# KiCad board ISA_ES1868.kicad_pcb (continued)
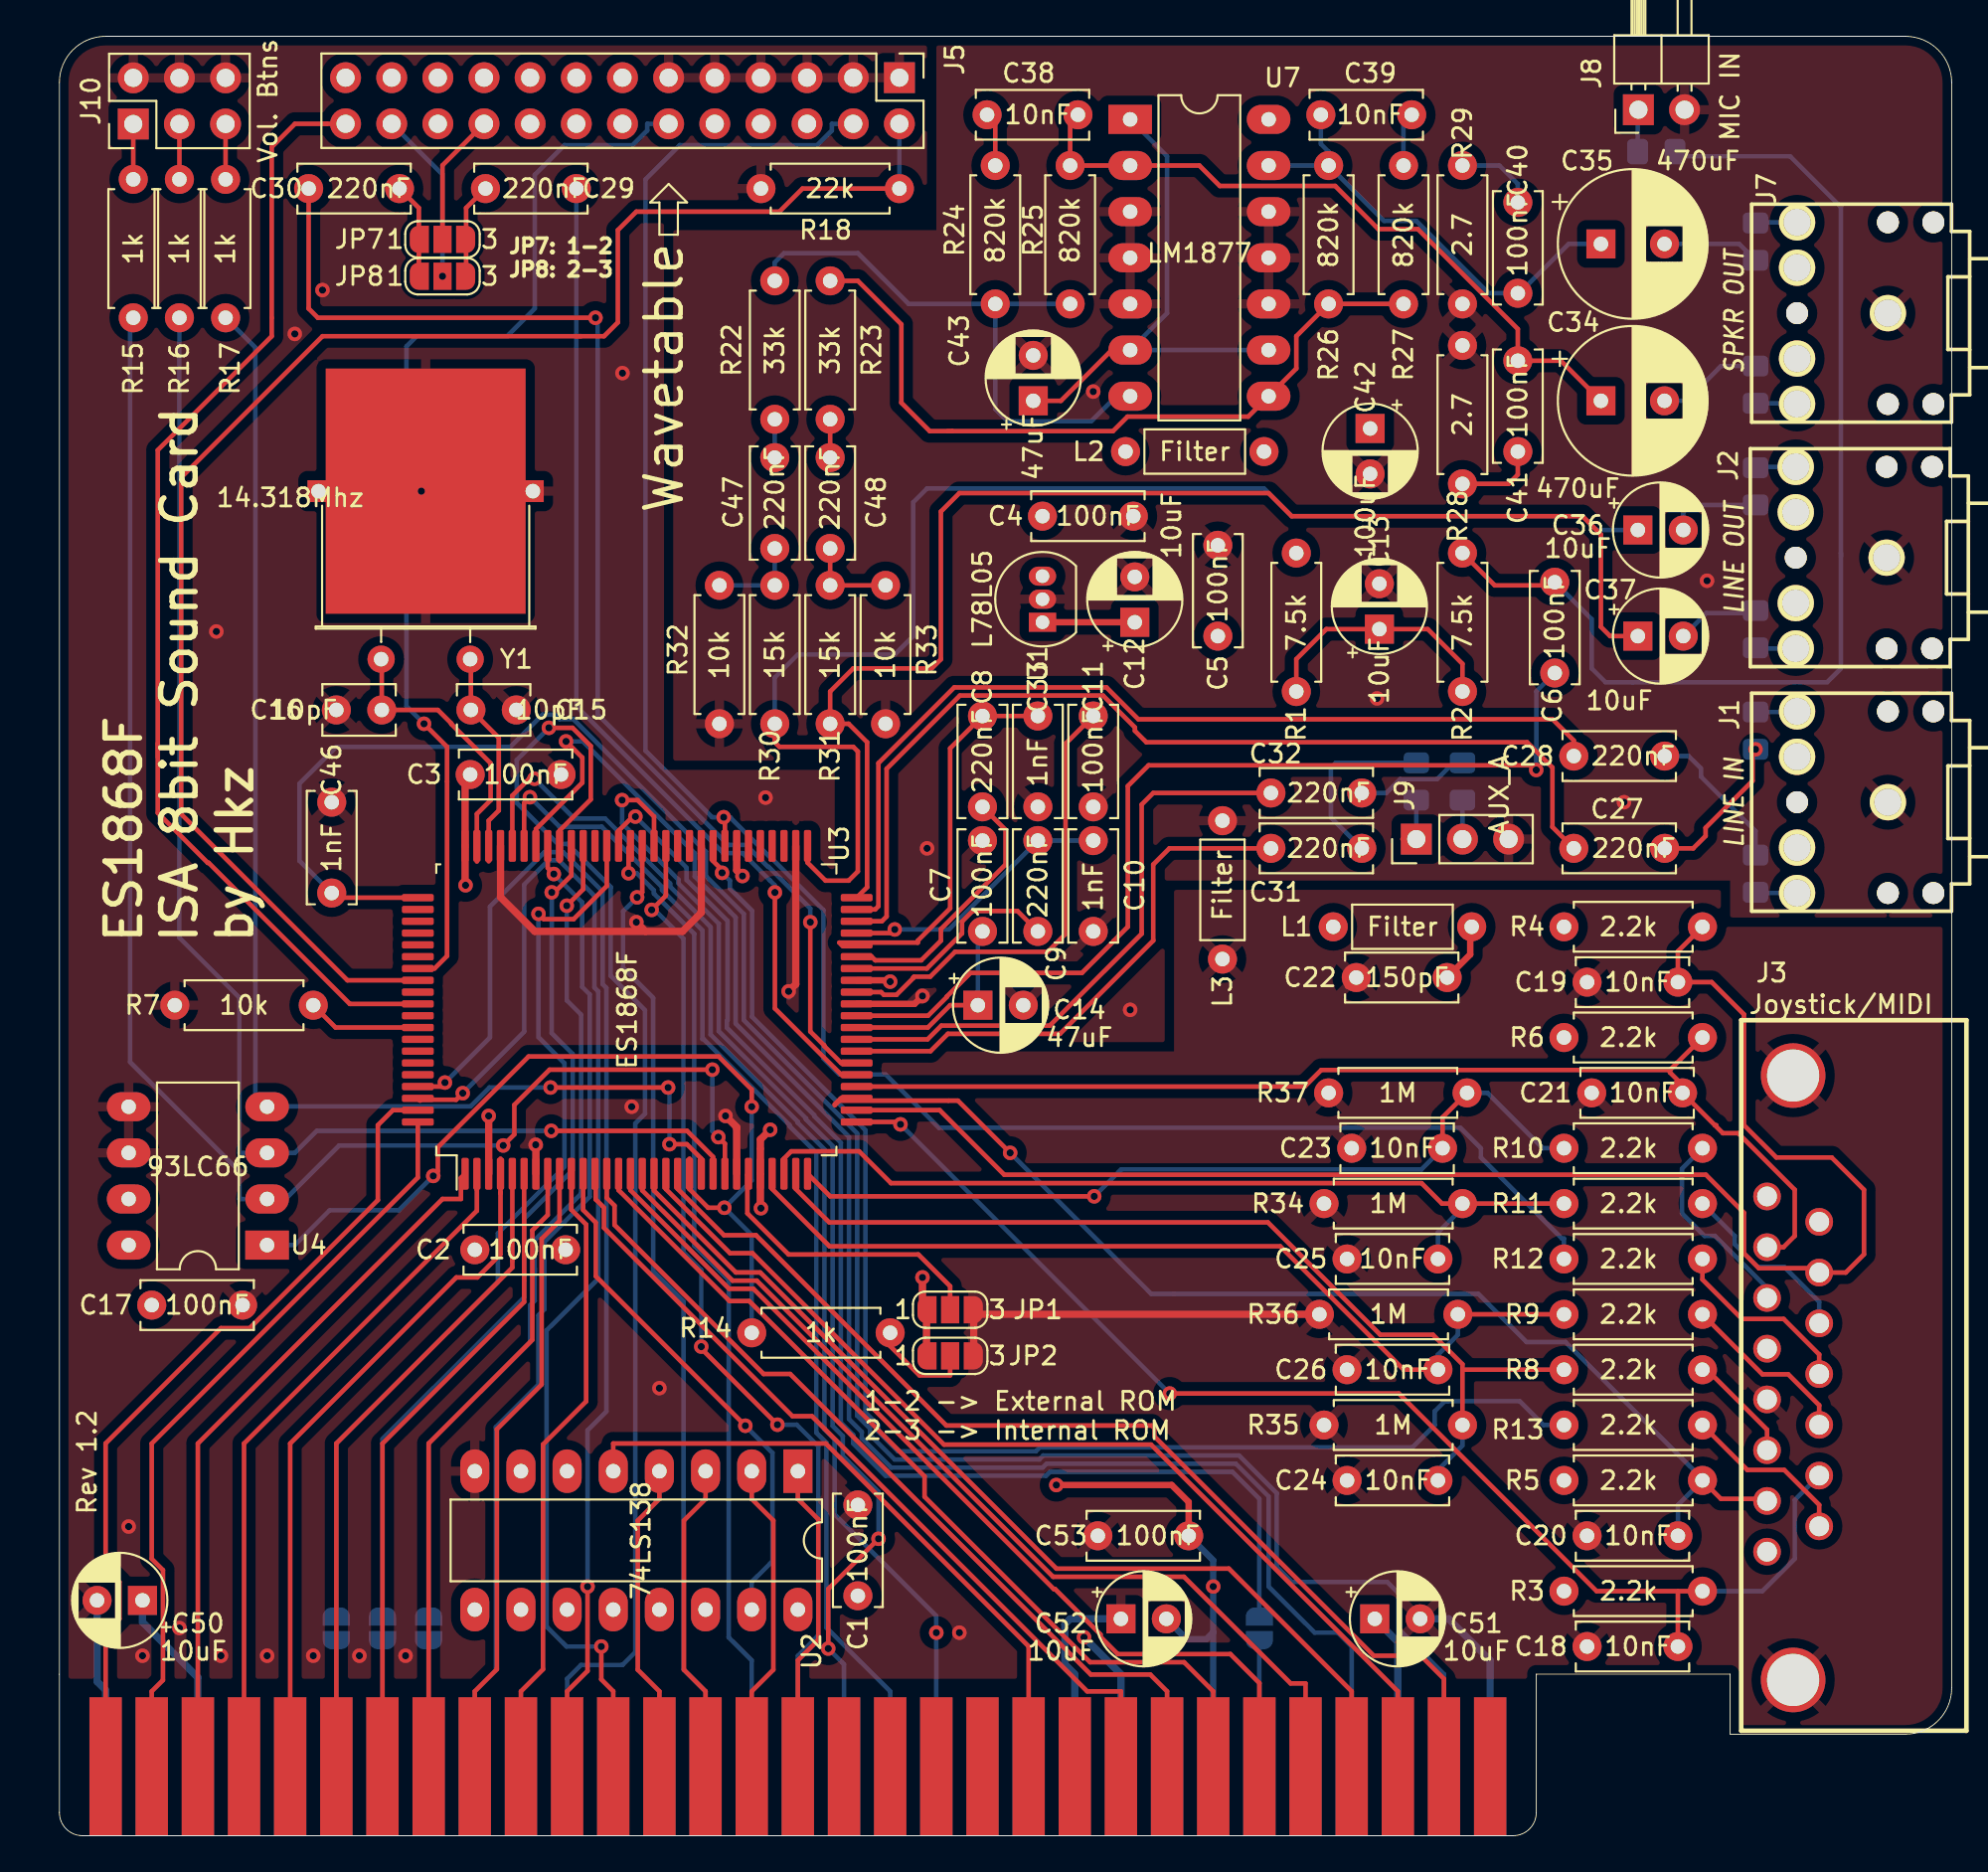
[diagram p0: board, top side]
## Nets
+12V: C4.1 J5.18 J11.9 L2.1 U1.3
-12V: C52.2 C53.2 J5.22 J11.7
/VDDA: C5.1 C12.1 R1.1 U1.1 U3.43
GND: C1.2 C2.2 C3.2 C15.1 C16.1 C17.1 C18.1 C19.1 C20.1 C21.1 C22.1 C23.1 C24.1 C25.1 C26.1 C46.1 C50.2 C51.2 C52.1 C53.1 J3.0 J3.4 J3.5 J5.1 J5.3 J5.5 J5.7 J5.9 J5.11 J10.2 J10.4 J10.6 J11.1 J11.10 J11.31 JP1.3 JP2.3 L3.1 R7.2 R18.2 R34.1 R35.1 R36.1 R37.1 U2.8 U3.7 U3.24 U3.52 U3.60 U3.77 U4.5 U4.6 Y1.3
GNDA: C4.2 C5.2 C7.2 C10.2 C11.2 C12.2 C13.2 C14.2 C33.2 C42.2 C43.2 J1.1 J2.1 J5.15 J5.17 J5.19 J5.21 J5.23 J5.25 J7.1 J8.2 J9.3 L3.2 R28.1 R29.1 R32.2 R33.2 U1.2 U3.41 U7.3 U7.4 U7.5 U7.10 U7.11 U7.12
VCC: C1.1 C2.1 C3.1 C17.2 C50.1 C51.1 J5.6 J5.10 J5.14 J11.3 J11.29 JP1.1 JP2.1 L1.1 R3.2 R4.2 R5.2 R6.2 U2.6 U2.16 U3.3 U3.26 U3.57 U3.80 U4.8
/A0: J11.62 U3.99
/A1: J11.61 U3.100
/A2: J11.60 U3.1
/A3: J11.59 U3.2
/A4: J11.58 U3.4
/A5: J11.57 U3.5
/A6: J11.56 U3.6
/A7: J11.55 U3.8
/A8: J11.54 U3.9
/A9: J11.53 U3.10
/A10: J11.52 U3.97
/A11: J11.51 U3.98
/A12: J11.50 U2.4
/A13: J11.49 U2.3
/A14: J11.48 U2.2
/A15: J11.47 U2.1
/AEN: J11.42 U2.5
/AOUTL: C37.1 R31.1 U3.50
/AOUTR: C36.1 R30.1 U3.51
/AUXBL: C29.2 JP7.3 JP8.3
/AUXBR: C30.2 JP7.1 JP8.1
/D0: J11.40 U3.12
/D1: J11.39 U3.13
/D2: J11.38 U3.14
/D3: J11.37 U3.15
/D4: J11.36 U3.16
/D5: J11.35 U3.17
/D6: J11.34 U3.18
/D7: J11.33 U3.19
/DRQ1: J11.18 U3.65
/DRQ2: J11.6 JP3.1
/DRQ3: J11.16 U3.63
/Filtered_12V: C42.1 L2.2 U7.14
/FILTERED_VCC: C22.2 J3.1 J3.8 J3.9 L1.2
/IRQ3: J11.25 JP5.1
/IRQ4: J11.24 JP6.1
/IRQ5: J11.23 U3.73
/IRQ7: J11.21 U3.72
/IRQ9: J11.4 U3.74
/MCLK: J5.2 R18.1 U3.88
/MSD: J5.12 U3.87
/MSI: R13.2 U3.59
/MSO: J5.4 R12.2 U3.58
/RESETDRV: C46.2 J11.2 U3.81
/~{DACK1}: J11.17 U3.66
/~{DACK2}: J11.26 JP4.1
/~{DACK3}: J11.15 U3.64
/~{IOR}: J11.14 U3.75
/~{IOW}: J11.13 U3.76
/~{RSTB}: J5.26 U3.90
Net-(C6-Pad1): C6.1 U3.40
Net-(C6-Pad2): C6.2 L12.2 R2.2
Net-(C8-Pad1): C8.1 U3.45
Net-(C9-Pad1): C9.1 U3.44
Net-(C10-Pad1): C9.2 C10.1 U3.47
Net-(C11-Pad1): C11.1 U3.42
Net-(C13-Pad1): C13.1 R1.2 R2.1
Net-(C14-Pad1): C7.1 C14.1 U3.39
Net-(C15-Pad2): C15.2 U3.78 Y1.1
Net-(C16-Pad2): C16.2 U3.79 Y1.2
Net-(C18-Pad2): C18.2 J3.14 R3.1 U3.31
Net-(C19-Pad2): C19.2 J3.10 R4.1 U3.32
Net-(C20-Pad2): C20.2 J3.7 R5.1 U3.33
Net-(C21-Pad2): C21.2 J3.2 R6.1 U3.34
Net-(C23-Pad2): C23.2 R10.2 R37.2 U3.30
Net-(C24-Pad2): C24.2 R8.2 R35.2 U3.29
Net-(C25-Pad2): C25.2 R11.2 R34.2 U3.28
Net-(C26-Pad2): C26.2 R9.2 R36.2 U3.27
Net-(C27-Pad1): C27.1 U3.48
Net-(C27-Pad2): C27.2 L4.2
Net-(C28-Pad1): C28.1 U3.49
Net-(C28-Pad2): C28.2 L5.2
Net-(C29-Pad1): C29.1 U3.35
Net-(C30-Pad1): C30.1 U3.36
Net-(C31-Pad1): C31.1 U3.37
Net-(C31-Pad2): C31.2 L6.2
Net-(C32-Pad1): C32.1 U3.38
Net-(C32-Pad2): C32.2 L7.2
Net-(C33-Pad1): C8.2 C33.1 U3.46
Net-(C34-Pad1): C34.1 C38.2 C41.2 R25.2 U7.2
Net-(C34-Pad2): C34.2 L10.2
Net-(C35-Pad1): C35.1 C39.2 C40.2 R26.2 U7.13
Net-(C35-Pad2): C35.2 L11.2
Net-(C36-Pad2): C36.2 L8.2
Net-(C37-Pad2): C37.2 L9.2
Net-(C38-Pad1): C38.1 R24.2
Net-(C39-Pad1): C39.1 R27.2
Net-(C40-Pad1): C40.1 R29.2
Net-(C41-Pad1): C41.1 R28.2
Net-(C43-Pad1): C43.1 U7.1 U7.6 U7.9
Net-(C47-Pad1): C47.1 R30.2 R32.1
Net-(C47-Pad2): C47.2 R22.1
Net-(C48-Pad1): C48.1 R31.2 R33.1
Net-(C48-Pad2): C48.2 R23.1
Net-(J1-Pad2): J1.2 L4.1
Net-(J1-Pad3): J1.3 L5.1
Net-(J2-Pad2): J2.2 L8.1
Net-(J2-Pad3): J2.3 L9.1
Net-(J3-Pad3): J3.3 R10.1
Net-(J3-Pad6): J3.6 R8.1
Net-(J3-Pad11): J3.11 R11.1
Net-(J3-Pad12): J3.12 R12.1
Net-(J3-Pad13): J3.13 R9.1
Net-(J3-Pad15): J3.15 R13.1
Net-(J5-Pad20): J5.20 JP7.2
Net-(J5-Pad24): J5.24 JP8.2
Net-(J7-Pad2): J7.2 L11.1
Net-(J7-Pad3): J7.3 L10.1
Net-(J8-Pad1): J8.1 L12.1
Net-(J9-Pad1): J9.1 L6.1
Net-(J9-Pad2): J9.2 L7.1
Net-(J10-Pad1): J10.1 R15.2
Net-(J10-Pad3): J10.3 R16.2
Net-(J10-Pad5): J10.5 R17.2
Net-(JP1-Pad2): JP1.2 U3.25
Net-(JP2-Pad2): JP2.2 R14.1
Net-(JP3-Pad2): JP3.2 U3.67
Net-(JP4-Pad2): JP4.2 U3.68
Net-(JP5-Pad2): JP5.2 U3.71
Net-(JP6-Pad2): JP6.2 U3.70
Net-(R7-Pad1): R7.1 U3.92
Net-(R14-Pad2): R14.2 U3.20 U4.1
Net-(R15-Pad1): R15.1 U3.23 U4.2
Net-(R16-Pad1): R16.1 U3.22 U4.3
Net-(R17-Pad1): R17.1 U3.21 U4.4
Net-(R22-Pad2): R22.2 R24.1 R25.1 U7.7
Net-(R23-Pad2): R23.2 R26.1 R27.1 U7.8
Net-(U2-Pad15): U2.15 U3.11

Pads without a net: J1 4 5; J2 4 5; J5 8 13 16; J7 4 5; J11 5 8 11 12 19 20 22 27 28 30 32 41 43 44 45 46; U2 7 9 10 11 12 13 14; U3 53 54 55 56 61 62 69 82 83 84 85 86 89 91 93 94 95 96; U4 7

## Via types
v1: diameter 0.8, hole 0.4, Top to Bottom, 85 vias

## Routing (per net, layer and track width the routed paths; a pad name or vN(x,y) marks a point on that pad's centre or on a via; arc(x,y) is an arc through that point)
+12V: length 133.3
  In2.Cu w0.35: 59.94,63.73 59.8,63.87 ; 54.33,69.34 U1.3
  In2.Cu w0.4: 62.1,44.2 62.1,42.54 61.34,41.78 60.07,41.78 58.93,40.64 58.93,15.49 56.39,12.95 v1(56.39,10.92) ; 62.1,44.2 62.1,61.57 56.9,66.78 56.9,68.07 55.63,69.34 U1.3 C4.1 ; 62.1,44.2 62.1,43.56 ; C4.1 38.1,72.64 37.08,73.66 37.08,90.42 35.31,92.2 26.67,92.2 25.91,92.96 J5.18 ; C4.1 54.1,75.18 55.12,76.2 L2.1
  Bottom w0.4: v1(56.39,10.92) 58.42,8.89 J11.9
-12V: length 148.1
  Top w0.35: v1(54.86,19.3) 61.21,19.3 62.15,18.37 C53.2
  In2.Cu w0.35: C52.2 60.92,15.28 C53.2 ; J5.22 20.83,89.92 29.21,81.53 29.21,79.5 30.23,78.49 30.23,57.4 29.21,56.39 19.56,56.39 18.03,54.86 18.03,35.31 19.81,33.53 31.24,33.53 33.53,31.24 36.28,31.24 37.55,29.97 37.85,29.97 48.51,19.3 v1(54.86,19.3)
  Bottom w0.35: J11.7 63.5,11.2 ; 63.5,11.2 v1(63.5,13.72) 63.5,15.16 C53.2 ; 63.5,11.2 63.12,10.82 62.04,10.82 C52.2
/VDDA: length 44
  Top w0.35: U1.1 C12.1 ; v1(45.72,47.02) 45.64,47.09 U3.43
  In2.Cu w0.35: C12.1 62.99,66.8 C5.1 67.06,66.04 68.07,67.06 R1.1 ; U1.1 46.76,59.46 46.76,47.02 v1(45.72,47.02)
GND: length 671.2
  Top w0.4: U3.24 37.28,39.01 v1(36.66,39.62) ; R36.1 50.39,28.7 50.32,28.77 ; 50.32,25.89 JP2.3 50.32,28.77 ; 50.32,28.77 JP1.3 ; C22.1 70.92,46.79 ; 27.21,58.42 C3.2 ; U3.7 26.22,38.02 v1(26.21,38.04) ; 32.26,49.78 v1(31.75,50.29) ; 32.26,49.78 34.29,49.78 35.33,50.82 U3.60 ; 32.26,49.78 26.16,49.78 24.28,51.67 U3.77 ; v1(40.13,46.48) 40.53,46.88 U3.52 ; 84.07,46.91 C19.1
  In1.Cu w0.4: 27.86,29.38 27.69,29.21 22.86,29.21 ; 27.86,29.38 27.86,29.29 32.26,24.89 32.77,24.89 v1(33.02,24.64) 40.13,24.64 43.94,20.83 C1.2 ; 27.86,29.38 C2.2 31.5,35.89 v1(31.5,40.13) 31.5,43.69 ; 4.57,10.45 C50.2 2.07,17.23 ; 4.57,10.45 v1(4.57,9.91) ; 4.57,10.45 4.57,10.41 ; 15.37,60.07 15.24,60.2 C16.1 ; 15.37,60.07 14.99,59.69 C46.1 ; 15.37,60.07 15.66,59.78 26.25,59.78 ; C17.1 7.29,26.42 5.59,26.42 2.07,22.9 2.07,17.23 ; C17.1 22.86,29.21 ; C17.1 8.38,30.91 8.38,34.54 5.33,37.59 U4.6 U4.5 3.81,41.66 6.35,44.2 R7.2 ; J3.4 J3.5 101.49,24.02 101.6,24.13 ; 2.07,17.23 3.6,17.23 v1(3.81,17.02) ; 26.25,59.78 C3.2 ; 26.25,59.78 25.15,60.88 C15.1 25.15,73.11 Y1.3 v1(19.92,74.02) Y1.3 12.55,74.02 8.64,70.1 v1(8.64,66.29) ; v1(12.95,82.68) 14.48,82.68 ; 14.48,82.68 14.48,82.3 15.24,81.53 28.7,81.53 ; 14.48,82.68 v1(14.48,85.09) ; 30.86,51.18 29.97,52.07 29.97,56.05 C3.2 ; 30.86,51.18 v1(31.75,50.29) ; 30.86,51.18 30.86,50.67 31.5,50.04 31.5,43.69 ; 101.6,24.13 101.6,35.66 J3.0 ; 101.6,24.13 101.6,10.41 99.76,8.57 J3.0 93.44,10.54 93.44,11.61 85.27,11.61 C18.1 ; 31.5,43.69 35.62,43.69 37.06,42.25 37.06,40.02 v1(36.66,39.62) ; 31.5,43.69 30.73,43.69 26.21,39.17 v1(26.21,38.04) ; v1(6.6,11.43) 5.08,9.91 v1(4.57,9.91) ; C3.2 28.7,59.52 28.7,75.18 ; C3.2 30.74,58.42 31.76,57.4 38.61,57.4 v1(38.86,57.15) ; C1.2 45.07,18.21 49.53,13.75 v1(49.53,11.18) ; C1.2 55.45,18.21 C53.1 ; v1(4.57,9.91) v1(8.89,9.91) v1(11.43,9.91) v1(13.97,9.91) v1(16.51,9.91) v1(19.05,9.91) ; J5.7 J5.9 J5.11 32.28,95.53 10.38,95.53 J10.6 J10.4 J10.2 ; J5.7 39.86,95.53 39.86,91.93 R18.2 32.26,90.68 28.7,87.12 28.7,81.53 ; J5.7 J5.5 J5.3 J5.1 ; v1(31.75,50.29) 31.87,50.17 ; v1(31.75,50.29) 35.56,46.48 v1(40.13,46.48) ; C19.1 83.13,46.04 72.57,46.04 C22.1 ; C19.1 84.33,46.74 C21.1 84.07,40.64 C20.1 C18.1 ; C19.1 85.6,46.99 87.45,45.14 94.94,45.14 94.94,43.39 95.42,42.92 ; 28.7,75.18 28.7,81.53 ; 28.7,75.18 28.7,78.23 v1(30.99,80.52) ; L3.1 65.02,47.24 C22.1 ; C22.1 71.37,42.42 R37.1 69.85,39.12 C23.1 71.12,36.32 R34.1 69.6,33.02 C25.1 70.87,30.23 R36.1 69.34,27.18 C26.1 70.87,23.88 R35.1 69.6,20.83 C24.1 66.62,15.31 58.35,15.31 C53.1 ; C18.1 77.98,10.41 76.45,11.94 C51.2 ; C53.1 57.15,14.99 58.42,13.72 C52.1 ; 22.86,29.21 U2.8
  Bottom w0.4: C52.1 55.63,11.94 55.33,11.65 55.33,9.44 55.88,8.89 J11.10 ; C51.2 76.45,11.94 78.74,9.65 J11.1 ; v1(40.13,46.48) 40.13,46.22 ; C1.2 43.94,17.64 ; J11.31 2.54,8.02 2.07,8.49 C50.2
GNDA: length 355.4
  Top w0.35: 43.88,45.79 U3.41 47.06,45.79 v1(47.5,46.23)
  In1.Cu w0.35: U7.5 56.9,82.3 ; U7.5 U7.10 U7.11 ; U7.5 U7.4 U7.3 62.23,89.41 ; 56.9,82.3 56.09,81.49 C43.2 ; 56.9,82.3 v1(56.9,79.5) ; C13.2 71.47,67.75 71.47,62.77 71.63,62.61 v1(72.52,62.61) ; C13.2 72.64,74.46 C42.2 ; C13.2 75.51,71.79 82.39,71.79 85.09,69.09 v1(90.68,69.09) 92.46,69.09 94.08,70.72 94.08,70.83 94.59,71.33 99.02,71.33 ; 97,90.19 98.04,89.15 98.04,84.33 98.55,83.82 J7.1 100.63,83.01 101.61,82.03 101.61,71.41 J2.1 ; 97,90.19 97,90.7 94.16,93.55 91.44,93.55 ; 97,90.19 83.08,90.19 R29.1 ; 91.44,93.55 91.37,93.55 ; 91.44,93.55 90.91,93.55 J8.2 ; C42.2 67.68,74.97 C5.2 62.15,72.64 C4.2 59.1,69.38 C12.2 57.11,69.3 55.88,68.07 U1.2 52.58,68.07 45.72,61.21 R33.2 ; C42.2 74.21,74.97 77.22,77.98 R28.1 R29.1 ; U7.12 66.55,89.54 ; U7.12 U7.11 ; U7.12 62.23,89.41 ; C7.2 48.18,54.78 v1(47.75,54.36) ; C7.2 49.61,54.78 49.61,60.37 48.77,61.21 R33.2 ; C7.2 52.58,56.56 53.77,56.56 C33.2 C11.2 ; J5.25 J5.23 J5.21 J5.19 J5.17 J5.15 29.67,98.01 58.08,98.01 62.23,93.86 62.23,89.41 ; C10.2 55.72,50.96 55.72,55.47 C11.2 ; C10.2 56.9,49.57 C14.2 51.87,46.9 48.17,46.9 v1(47.5,46.23) ; C10.2 56.9,46.99 58.42,45.47 v1(58.93,45.47) ; R33.2 44.2,59.94 37.59,59.94 R32.2 ; R29.1 74.68,86.87 U7.11 ; J2.1 101.85,69.06 101.85,58.12 J1.1 99.66,55.92 87.08,55.92 v1(86.11,56.9) 80.26,56.9 79.76,56.39 J9.3 ; J2.1 100.56,70.38 99.61,71.33 99.02,71.33 ; 99.02,71.33 99.08,71.33 ; C11.2 63.25,56.64 L3.2
VCC: length 384.9
  Top w0.4: C3.1 22.33,58.14 U3.80 22.33,52.35 v1(22.35,52.32) ; U3.57 37.28,53.15 v1(37.59,52.83) ; v1(47.5,30.73) 47.5,29.18 JP1.1 JP2.1 ; U3.3 23.62,39.62 v1(23.62,39.62) ; v1(38.61,34.54) 38.58,34.58 38.58,38.32 v1(39.12,38.86) ; C2.1 22.94,32.26 22.94,32.04
  In2.Cu w0.4: v1(47.5,30.73) 47.24,30.48 41.66,30.48 38.61,33.53 v1(38.61,34.54) ; 37.66,44.52 37.59,44.59 v1(37.59,52.83) ; 37.66,44.52 24.5,44.52 23.77,43.79 ; 37.66,44.52 38.54,44.52 39.12,43.94 v1(39.12,38.86) ; C50.1 5.08,13.46 C17.2 3.81,30.48 U4.8 5.01,31.31 17.2,31.31 ; v1(22.35,52.32) 22.35,45.21 23.77,43.79 ; U2.16 43.18,12.45 C1.1 ; J5.6 39.9,95.49 37.32,95.49 J5.10 34.82,95.49 32.24,95.49 J5.14 29.7,95.53 29.7,97.38 29.05,98.03 13.96,98.03 12.19,96.27 12.19,67.06 ; 23.77,43.79 23.62,43.64 v1(23.62,39.62) ; 12.19,67.06 12.19,62.48 16.26,58.42 18.8,58.42 ; 12.19,67.06 12.19,66.72 ; 18.8,58.42 17.27,56.9 17.27,31.38 17.2,31.31 ; 18.8,58.42 C3.1 ; R6.2 R4.2 81.6,48.84 71.3,48.84 L1.1 70.1,46.48 78.42,38.17 78.42,28.27 82.81,23.88 83.31,23.88 84,23.18 84,20.76 R5.2 R3.2 82,14.26 73.95,14.26 72.39,12.7 C51.1 70.57,10.12 47.03,10.12 C1.1 ; C1.1 41.4,15.75 32.26,15.75 U2.6 27.94,25.91 22.86,30.99 C2.1 21.91,31.31 17.2,31.31
  Bottom w0.4: J11.29 7.62,8.71 4.57,11.75 C50.1 ; J11.3 73.66,10.67 C51.1 ; C17.2 5.41,29.54
/A0: length 46.5
  Top w0.25: J11.62 2.54,11.18 3.3,11.94 3.3,13.97 2.54,14.73 2.54,21.59 8.89,27.94 10.48,27.94 17.53,34.99 17.53,39.12 18.35,39.94 U3.99 18.89,39.94
/A1: length 42.1
  Top w0.25: 19.72,39.29 19.72,36.23 5.08,21.59 5.08,15.24 5.7,14.62 5.7,8.56 5.08,7.95 J11.61
/A2: length 39.3
  Top w0.25: U3.1 22.1,36.21 22.1,35.05 21.08,35.05 7.62,21.59 J11.60
/A3: length 39.7
  Top w0.25: U3.2 22.97,35.58 ; U3.2 22.97,35.57 ; U3.2 22.97,34.41 10.16,21.59 J11.59
/A4: length 39.9
  Top w0.25: J11.58 12.7,21.59 21.84,30.73 23,30.73 24.28,32.01 24.28,35.41 ; 24.28,35.34 24.28,35.41 ; 24.28,35.41 U3.4 ; 24.28,35.59 U3.4 ; U3.4 24.28,37.27
/A5: length 36.6
  Top w0.25: J11.57 15.24,21.59 24.93,31.27 U3.5
/A6: length 35.9
  Top w0.25: 25.58,36.44 25.58,29.38 17.78,21.59 J11.56
/A7: length 35.3
  Top w0.25: U3.8 26.88,34.17 26.03,33.32 26.03,27.3 20.32,21.59 J11.55
/A8: length 34.6
  Top w0.25: J11.54 22.86,7.95 24.07,9.16 24.07,22.37 26.54,24.84 26.54,32.86 27.53,33.84 U3.9
/A9: length 34.5
  Top w0.25: U3.10 28.18,34.46 28.99,33.64 28.99,23.91 26.61,21.54 26.61,9.16 25.4,7.95 J11.53
/A10: length 69.8
  Top w0.25: J11.52 27.94,7.95 29.07,9.07 v1(29.07,13.71) ; U3.97 21,41.24 v1(21.22,41.46)
  Bottom w0.25: v1(21.22,41.46) 23.7,43.94 23.7,51.15 26.69,54.15 27.72,54.15 29.89,51.98 29.89,46.88 30.1,46.67 30.1,23.35 29.07,22.32 v1(29.07,13.71)
/A11: length 72.7
  Top w0.25: 19.8,40.52 19.85,40.47 ; 19.8,40.52 21.83,40.52 v1(22.2,40.88) ; 19.8,40.52 U3.98 ; v1(29.82,10.41) 29.82,8.6 30.48,7.95 J11.51
  Bottom w0.25: v1(29.82,10.41) 27.91,10.41 26.81,11.51 26.81,27.82 29.65,30.66 29.65,46.48 29.44,46.69 29.44,51.74 27.48,53.7 26.91,53.7 25.58,52.37 25.58,44.26 v1(22.2,40.88)
/A12: length 17.2
  Top w0.25: J11.50 33.02,7.95 31.83,9.14 31.83,17.35 33.02,18.54 U2.4
/A13: length 17.2
  Top w0.25: U2.3 35.56,18.54 34.37,17.35 34.37,9.14 35.56,7.95 J11.49
/A14: length 17.2
  Top w0.25: J11.48 38.1,7.95 39.29,9.14 39.29,17.35 38.1,18.54 U2.2
/A15: length 17.2
  Top w0.25: J11.47 40.64,9.65 41.77,10.78 41.77,17.42 40.64,18.54 U2.1
/AEN: length 35.6
  Top w0.25: U2.5 30.48,21.59 42.17,21.59 53.34,10.42 J11.42
/AOUTL: length 73.1
  Top w0.25: 43.94,51.71 U3.50 44.45,52.22 44.45,60.2 43.43,61.21 R31.1 42.42,62.99 43.69,64.26 48.01,64.26 48.51,64.77 48.51,72.9 49.53,73.91 66.55,73.91 67.82,72.64 83.82,72.64 84.84,71.63 84.84,66.55 85.34,66.04 C37.1
/AOUTR: length 76.5
  Top w0.25: U3.51 41.18,53.57 42.16,52.58 43.43,52.58 43.94,53.09 43.94,59.69 43.69,59.94 39.62,59.94 39.37,60.2 R30.1
  Bottom w0.25: 66.8,73.66 67.82,72.64 83.82,72.64 84.58,71.88 C36.1 ; 66.8,73.66 66.69,73.77 ; 66.8,73.66 66.29,74.17 47.75,74.17 46.99,73.41 46.99,66.04 45.97,65.02 40.64,65.02 39.37,63.75 R30.1
/AUXBL: length 5.6
  Top w0.25: JP8.3 JP7.3 22.38,89.61 C29.2 23.62,90.5
  Bottom w0.25: C29.2 23.37,90.76
/AUXBR: length 6.1
  Top w0.25: JP8.1 JP7.1 19.78,89.61 C30.2 18.54,90.5
  Bottom w0.25: 18.29,91.11 C30.2
/D0: length 46.3
  Top w0.25: U3.12 29.52,36.4 29.52,35.03 29.97,34.57 29.97,33.47 40.34,23.09 41.42,23.09 56.56,7.95 58.42,7.95 J11.40
/D1: length 48.2
  Top w0.25: U3.13 30.12,35.11 30.55,34.69 30.55,33.62 38.76,25.42 40.21,25.42 56.76,8.87 60.03,8.87 60.96,7.95 J11.39
/D2: length 49.8
  Top w0.25: J11.38 63.5,7.95 61.9,9.55 56.73,9.55 47.61,18.66 47.61,19.78 37.96,29.43 36.88,29.43 30.78,35.54 U3.14
/D3: length 54.1
  Top w0.25: 66.04,6.44 J11.37 66.04,8.4 64.44,10 58.25,10 57.29,10.95 57.29,11.08 54.8,13.58 54.72,13.58 38.19,30.11 36.86,30.11 31.43,35.54 U3.15
/D4: length 53.2
  Top w0.25: 32.08,36.44 32.08,35.53 37.04,30.56 38.38,30.56 54.69,14.25 61.89,14.25 67.76,8.38 68.58,8.38 J11.36
/D5: length 54.9
  Top w0.25: J11.35 71.12,7.95 64.36,14.7 54.87,14.7 38.57,31.01 37.23,31.01 32.72,35.51 U3.17
/D6: length 56.7
  Top w0.25: J11.34 73.66,7.95 60.08,21.53 48.68,21.53 38.14,32.07 36.91,32.07 33.38,35.6 U3.18
/D7: length 59.3
  Top w0.25: J11.33 76.2,8.64 74.93,9.91 72.34,9.91 60.26,21.98 60.26,22.44 60.12,22.58 48.81,22.58 38.34,33.06 36.57,33.06 34.03,35.61 U3.19
/DRQ1: length 53
  Top w0.25: 32.08,54.49 32.08,51.94 v1(31.79,51.66)
  Bottom w0.25: v1(31.79,51.66) 31.02,50.89 31.02,47.78 32.68,46.12 32.68,31.08 34.35,29.41 34.35,9.16 35.56,7.95 J11.18
/DRQ2: length 7
  Bottom w0.25: J11.6 JP3.1
/DRQ3: length 56.1
  Top w0.25: v1(35.32,26.92) 35.32,26.82 v1(39.52,22.63) ; v1(32.59,50.97) 33.38,51.75 U3.63
  Bottom w0.25: J11.16 40.64,9.9 41.77,11.03 41.77,21.44 40.58,22.63 v1(39.52,22.63) ; v1(32.59,50.97) 32.68,51.05 34.34,49.39 34.34,32.13 35.32,31.14 v1(35.32,26.92)
/Filtered_12V: length 27.8
  In2.Cu w0.4: U7.14 67.06,94.49 68.33,93.22 71.37,93.22 72.14,92.46 C42.1 67.56,77.47 L2.2
/FILTERED_VCC: length 56.7
  Top w0.25: 76.37,47.56 C22.2
  Top w0.35: L1.2 77.64,49.96 77.64,48.51 C22.2
  In2.Cu w0.35: J3.8 93.98,16.71 95.96,18.69 97.4,18.69 98.3,19.59 98.3,32.35 J3.9 95.38,33.79 J3.1 91.69,37.48 91.69,44.41 90.29,45.81 87.54,45.81 85.09,48.26 85.09,49.49 83.37,51.21 78.9,51.21 L1.2
/IRQ3: length 7
  Bottom w0.25: J11.25 JP5.1
/IRQ4: length 7
  Bottom w0.25: J11.24 JP6.1
/IRQ5: length 54.3
  Top w0.25: U3.73 26.88,53.28 v1(27.21,52.94)
  Bottom w0.25: J11.23 22.86,7.95 24.02,9.1 24.02,22.49 26.36,24.84 26.36,28.65 26.69,28.97 26.69,32.69 29.19,35.18 29.19,46.31 28.77,46.73 28.77,51.38 v1(27.21,52.94)
/IRQ7: length 74
  Top w0.25: 27.53,53.65 U3.72 27.53,55.33 29.24,57.05 29.24,59.99 28.24,60.99 v1(26.94,60.99)
  Bottom w0.25: J11.21 27.94,8.64 28.7,9.4 30.99,9.4 31.69,10.1 31.69,39.21 32.23,39.74 32.23,45.45 30.34,47.33 30.34,52.22 27.97,54.6 27.43,54.6 25.17,56.86 25.17,59.22 v1(26.94,60.99)
/IRQ9: length 94.2
  Top w0.25: U3.74 26.22,55.42 28.78,57.97 28.78,59.35 v1(27.88,60.24)
  Bottom w0.25: J11.4 71.12,10.41 70.36,11.18 69.09,11.18 66.55,13.72 66.55,18.67 64.74,20.48 54.33,20.48 54.11,20.26 45.78,20.26 44.16,21.88 44.16,22.23 43.46,22.93 43.46,38.47 37.22,44.71 37.22,50.55 36.9,50.87 34.97,52.81 34.97,54.09 28.81,60.24 v1(27.88,60.24)
/MCLK: length 88.3
  Top w0.25: 28.7,82.55 28.45,82.55 ; 28.45,82.55 29.97,82.55 30.73,83.31 30.73,88.39 31.75,89.41 39.62,89.41 40.89,90.68 R18.1 ; 28.45,82.55 14.48,82.55 6.7,74.77 6.7,56.24 15.85,47.09 U3.88
  Bottom w0.25: J5.2 R18.1
/MSD: length 60.4
  Top w0.25: U3.87 20.65,47.74 21.34,48.43 21.34,59.94 v1(20.07,61.21)
  Bottom w0.25: v1(20.07,61.21) 19.1,62.18 19.1,81.99 19.66,82.55 24.64,82.55 26.16,84.07 26.16,91.44 27.79,93.07 31.54,93.07 32.35,93.88 32.35,94.24 J5.12
/MSI: length 76.3
  Top w0.25: v1(36.47,53.01) 36.47,53.17 35.97,53.66 U3.59
  Bottom w0.25: v1(36.47,53.01) 36.9,52.57 36.9,52.14 38.12,50.93 38.12,45.08 44.36,38.84 44.36,23.3 45.06,22.6 45.06,22.25 46.15,21.16 53.74,21.16 53.96,21.38 74.47,21.38 75.69,22.61 75.69,23.37 76.24,23.92 80.37,23.92 81.68,22.61 R13.2
/MSO: length 114.2
  Top w0.25: v1(36.56,56.07) 36.62,56 U3.58
  Bottom w0.25: J5.4 42.51,94.24 42.51,93.88 41.7,93.07 34.14,93.07 32.26,91.19 32.26,59.73 33.16,58.82 35.92,56.07 v1(36.56,56.07) ; 36.94,56.07 v1(36.56,56.07) ; v1(36.56,56.07) 36.9,56.07 39.18,53.79 39.22,53.79 42.05,50.96 42.05,42.79 42.93,41.91 45.47,41.91 48.4,38.97 77.11,38.97 78.23,37.85 78.23,37.34 82.69,32.88 82.8,32.88 R12.2
/RESETDRV: length 120.3
  Top w0.25: U3.81 15.24,51.64 C46.2
  Bottom w0.25: J11.2 76.2,8.89 73.75,11.34 73.75,13.3 73.07,13.97 67.82,13.97 67,14.79 67,18.86 64.93,20.93 54.14,20.93 53.93,20.71 45.96,20.71 44.61,22.07 44.61,22.41 43.91,23.12 43.91,38.66 37.67,44.9 37.67,50.74 35.58,52.83 35.58,54.17 28.28,61.47 27.54,61.47 27.29,61.72 26.59,61.72 24.82,59.94 15.24,59.94 13.21,57.91 13.21,53.67 C46.2
/~{DACK1}: length 56.4
  Top w0.25: U3.66 31.32,54.39 v1(31.32,52.99)
  Bottom w0.25: 38.1,6.45 J11.17 38.1,9.65 36.83,10.92 36.83,30.59 34.94,32.48 34.94,49.65 32.72,51.87 32.72,52.04 31.77,52.99 v1(31.32,52.99)
/~{DACK2}: length 7
  Bottom w0.25: J11.26 JP4.1
/~{DACK3}: length 64.5
  Top w0.25: v1(45.08,16.35) 42.31,13.58 v1(42.31,10.3) ; v1(30.97,57.01) 31.82,57.01 32.72,56.1 U3.64
  Bottom w0.25: v1(30.97,57.01) 30.97,55.73 34.07,52.63 34.07,52.43 36.29,50.21 36.29,44.29 41.09,39.49 41.09,39.43 42.56,37.96 42.56,22.56 43.12,22 43.12,20.89 43.43,20.57 ; v1(42.31,10.3) 43.18,9.43 J11.15 ; 43.43,20.57 43.26,20.75 ; 43.43,20.57 45.08,18.93 v1(45.08,16.35)
/~{IOR}: length 65.8
  Top w0.25: v1(25.89,57.17) 25.58,56.85 25.58,54.49
  Bottom w0.25: v1(25.89,57.17) 27.52,55.55 29.85,55.55 33.17,52.23 33.17,52.06 35.39,49.84 35.39,43.86 35.45,43.86 40.19,39.12 40.19,39.06 41.66,37.59 41.66,22.19 42.22,21.63 42.22,11.45 45.72,7.95 J11.14
/~{IOW}: length 68.9
  Top w0.25: v1(26.15,58.19) 25.85,58.19 24.93,57.26 U3.76
  Bottom w0.25: J11.13 v1(48.26,11.18) 48.26,12.09 42.67,17.69 42.67,21.81 42.11,22.37 42.11,37.78 40.64,39.24 40.64,39.3 35.84,44.1 35.84,50.02 33.62,52.25 33.62,52.41 30.03,56 28.34,56 v1(26.15,58.19)
/~{RSTB}: length 63.4
  Top w0.25: 5.41,59.37 5.41,60.12 ; 5.41,60.12 5.41,76.28 11.68,82.55 11.68,92.96 12.96,94.24 14.72,94.24 ; 5.41,60.12 5.41,56.31 8.17,53.56 8.22,53.56 15.98,45.79 19.72,45.79 ; J5.26 14.72,94.24 ; 14.72,94.24 14.57,94.24
Net-(C6-Pad1): length 53.5
  Top w0.25: v1(81.28,58.67) 81.02,58.93 59.94,58.93 58.8,57.78 58.8,50.04 58.02,49.26 58.02,49.24 56.28,47.5 50.14,47.5 48.84,46.19 48.84,46.17 47.81,45.14 U3.40
  Bottom w0.25: v1(81.28,58.67) 81.28,59.69 81.28,59.69 81.28,62.99 C6.1
Net-(C6-Pad2): length 62.3
  Top w0.25: C6.2 82.12,68.83 78.99,68.83 R2.2
  Bottom w0.25: 86.36,63.5 86.61,63.5 ; 86.61,63.5 87.88,63.5 ; 86.61,63.5 85.09,63.5 84.33,64.26 84.33,66.98 C6.2 ; 98.04,70.41 98.04,70.61 ; 98.04,70.61 98.04,64.26 97.28,63.5 87.88,63.5 ; 98.04,70.61 98.04,89.66 95.25,92.46 89.16,92.46 L12.2 ; 87.88,63.5 87.63,63.5
Net-(C8-Pad1): length 14.5
  Top w0.25: C8.1 52.07,55.37 52.07,53.47 48.51,49.91 48.51,49.28 47.43,48.19 44.9,48.19 44.7,48.39 U3.45
Net-(C9-Pad1): length 12.1
  Top w0.25: C9.1 52.72,50.91 50.26,50.91 49.68,50.32 49.68,49.67 47.74,47.74 U3.44
Net-(C10-Pad1): length 15.1
  Top w0.25: U3.47 45.77,49.69 v1(45.97,49.89)
  Bottom w0.25: C10.1 C9.2 48.95,49.89 v1(45.97,49.89)
Net-(C11-Pad1): length 25.6
  Top w0.25: C11.1 55.37,60.12 55.37,49.64 54.39,48.66 49.3,48.66 47.93,47.29 47.04,47.29 46.99,47.24 46.99,47.21 46.07,46.29 45.37,46.29 45.22,46.44 U3.42
Net-(C13-Pad1): length 13.9
  Top w0.25: R1.2 68.07,64.77 69.73,66.42 C13.1 75.31,66.42 77.22,64.52 R2.1
Net-(C14-Pad1): length 11.7
  Top w0.25: U3.39 47.79,44.49 49.02,45.72 C14.1 50.8,45.97
  Bottom w0.25: C7.1 50.55,49.53 C14.1
Net-(C15-Pad2): length 12
  Top w0.25: 23.62,53.64 U3.78 23.62,55.88 24.18,56.44 24.18,60.44 C15.2 22.65,64.73 Y1.1
Net-(C16-Pad2): length 15.8
  Top w0.25: Y1.2 17.74,64.74 C16.2 20.83,61.98 21.57,61.24 21.57,61.2 23.73,59.04 23.73,57.01 22.97,56.25 U3.79 22.97,53.63
Net-(C18-Pad2): length 71.3
  Top w0.25: 89.07,13.46 84.6,13.46 73.72,24.34 v1(61.11,24.34) ; 89.07,13.46 C18.2 ; 89.07,13.46 R3.1 ; 43.88,39.29 46.16,39.29 v1(46.29,39.16)
  Bottom w0.25: J3.14 95.5,18.48 95.5,15.24 93.73,13.46 R3.1 ; v1(46.29,39.16) v1(61.11,24.34)
Net-(C19-Pad2): length 86.6
  Top w0.25: R4.1 89.07,48.69 C19.2 90.93,46.99 92.71,45.21 92.71,39.12 94.49,37.34 97.54,37.34 99.31,35.56 99.31,32 98.31,31 J3.10 96.61,31.24 93.53,31.24 92.71,32.06 92.71,34.29 90.61,36.39 52,36.39 48.44,39.94 U3.32
Net-(C20-Pad2): length 65.6
  Top w0.25: J3.7 93.87,18.54 91.44,18.54 R5.1 ; v1(52.32,37.59) 49.45,40.47 42.92,40.47 42.67,40.22 42.67,40.27 43,40.59 U3.33
  Bottom w0.25: v1(52.32,37.59) 60.09,29.83 61.36,29.83 ; 61.36,29.83 78.09,29.83 80.74,27.18 82.89,27.18 90.42,19.64 R5.1 89.07,18.21 C20.2 ; 61.36,29.83 61.29,29.83
Net-(C21-Pad2): length 62.5
  Top w0.25: 89.54,41.11 89.76,41.33 ; 89.54,41.11 88.64,42.02 88.64,42.15 ; 89.54,41.11 C21.2 91.11,39.12 ; R6.1 88.64,42.15 ; 88.64,42.15 69.44,42.15 68.53,41.24 U3.34 ; J3.2 94.88,32.4 95.5,33.02 95.5,35.56 92.39,38.67 91.55,38.67 91.11,39.12 ; 91.11,39.12 91.19,39.12
Net-(C23-Pad2): length 47.3
  Top w0.25: v1(56.95,35.2) 42.42,35.2 U3.30 ; C23.2 76.12,39.54 R37.2
  In1.Cu w0.25: 76.12,38.42 C23.2
  Bottom w0.25: v1(56.95,35.2) 58.43,36.68 74.95,36.68 C23.2 ; R10.2 81.64,37.85 78.6,40.89 R37.2
Net-(C24-Pad2): length 54.1
  Top w0.25: 77.22,25.65 R35.2 ; 77.22,25.65 77.22,25.95 75.59,27.58 72.7,27.58 66.51,33.77 42.37,33.77 40.53,35.61 U3.29 ; 77.22,25.65 R8.2
  Bottom w0.25: C24.2 75.87,20.13 77.22,21.48 R35.2
Net-(C25-Pad2): length 49
  Top w0.25: R11.2 R34.2 76.09,34.8 74.97,35.92 45.77,35.92 44.02,37.67 40.27,37.67 39.88,37.28 U3.28
  Bottom w0.25: 77.22,34.32 77.22,34.56 ; 77.22,34.56 R34.2 ; 77.22,34.56 75.87,33.21 C25.2
Net-(C26-Pad2): length 50.9
  Top w0.25: C26.2 73.98,25.65 67.19,32.45 42.38,32.45 39.22,35.6 U3.27 ; R9.2 R36.2
  Bottom w0.25: R36.2 76.96,27.58 75.87,26.48 C26.2
Net-(C27-Pad1): length 54.9
  Top w0.25: U3.48 45.26,50.34 45.53,50.6 45.53,58.73 49.56,62.77 57.44,62.77 59.19,61.01 59.19,60.82 59.82,60.2 80.77,60.2 82.17,58.8 82.17,55.53 C27.1
Net-(C27-Pad2): length 8.2
  Top w0.25: 88.6,54.36 89.92,54.36 90.6,55.04 90.6,55.49 93.18,58.07 93.18,59.64 v1(93.35,59.81)
Net-(C28-Pad1): length 51.2
  Top w0.25: C28.1 83.34,60.29 82.18,61.46 59.38,61.46 57.62,63.22 49.25,63.22 45.08,59.04 45.08,51.17 44.9,50.99 U3.49
Net-(C28-Pad2): length 8.3
  Bottom w0.25: L5.2 93.35,55.3 90.34,58.3 90.34,58.75 89.66,59.44 C28.2
Net-(C29-Pad1): length 56.3
  Top w0.25: U3.35 43.03,41.89 39.38,45.55 v1(39.38,51.93)
  Bottom w0.25: C29.1 28.45,62.18 36.55,54.08 36.56,54.09 37.61,54.09 39.12,52.58 39.12,52.58 39.38,52.32 v1(39.38,51.93)
Net-(C30-Pad1): length 70.7
  Top w0.25: C30.1 13.72,84.07 14.22,83.57 v1(29.5,83.57) ; U3.36 43.02,42.54 42.09,43.47 42.09,43.51 41.33,44.27 v1(41.33,50.29)
  Bottom w0.25: v1(41.33,50.29) 41.33,51.05 39.03,53.34 38.99,53.34 37.79,54.54 36.81,54.54 29.62,61.73 29.62,83.45 v1(29.5,83.57)
Net-(C31-Pad1): length 29.9
  Top w0.25: C31.1 61.09,54.36 60.2,53.47 60.2,49.28 55.07,44.14 48.9,44.14 47.94,43.19 U3.37
Net-(C31-Pad2): length 10
  Bottom w0.25: C31.2 69.98,56.05 69.98,58.8 70.24,59.06 L6.2
Net-(C32-Pad1): length 32.6
  Top w0.25: C32.1 60.2,57.4 59.56,56.77 59.56,49.66 54.5,44.59 48.53,44.59 47.78,43.84 U3.38
Net-(C32-Pad2): length 6.2
  Bottom w0.25: L7.2 76.72,59.06 75.82,58.16 73.78,58.16 73.03,57.4 C32.2
Net-(C33-Pad1): length 22.3
  Top w0.25: U3.46 43.05,49.04 42.92,49.17 47.24,49.17 47.24,49.28 49.02,51.05 49.02,59.86 C8.2 C33.1
Net-(C34-Pad1): length 38.6
  Top w0.25: C38.2 55.63,94.31 R25.2 U7.2 62.74,91.95 63.86,90.82 70.21,90.82 72.59,88.45 74.76,88.45 80.26,82.94 C41.2 82.63,81.2 C34.1
Net-(C34-Pad2): length 5.8
  Bottom w0.25: L10.2 91.45,80.91 89.54,78.99 C34.2
Net-(C35-Pad1): length 25.6
  Top w0.25: C35.1 84.84,87.38
  Bottom w0.25: R26.2 69.85,92.71 69.42,93.14 C39.2 ; R26.2 U7.13 ; R26.2 72.9,88.9 74.68,88.9 78.66,84.92 C40.2 80.34,84.92 83.06,87.63 C35.1
Net-(C35-Pad2): length 5.4
  Bottom w0.25: L11.2 92.45,87.63 C35.2
Net-(C36-Pad2): length 5.1
  Bottom w0.25: L8.2 89.77,73.26 89.37,72.86 C36.2
Net-(C37-Pad2): length 4.6
  Bottom w0.25: L9.2 93.21,67.31 90.64,67.31 C37.2
Net-(C38-Pad1): length 3
  Top w0.25: R24.2 51.5,94.29 C38.1
Net-(C39-Pad1): length 3.6
  Top w0.25: 73.97,94.29 C39.1
  Bottom w0.25: C39.1 73.97,94.29 R27.2
Net-(C40-Pad1): length 4.5
  Bottom w0.25: C40.1 80.26,90.93 79.25,91.95 R29.2
Net-(C41-Pad1): length 4.5
  Top w0.25: C41.1 80.26,74.93 79.76,74.42 R28.2
Net-(C43-Pad1): length 28.7
  Top w0.25: C43.1 55.12,78.99 57.91,81.79 U7.6
  Bottom w0.25: U7.6 60.96,83.82 60.96,92.46 U7.1 ; U7.6 58.67,81.79 ; U7.6 U7.9
Net-(C47-Pad1): length 5.1
  Bottom w0.25: C47.1 R30.2 R32.1
Net-(C47-Pad2): length 2.1
  Bottom w0.25: C47.2 R22.1
Net-(C48-Pad1): length 5.1
  Top w0.25: R33.1 R31.2 C48.1
Net-(C48-Pad2): length 2.1
  Top w0.25: R23.1 C48.2
Net-(J1-Pad2): length 2.3
  Bottom w0.25: J1.2 95.59,61.86 L4.1
Net-(J1-Pad3): length 2.3
  Bottom w0.25: J1.3 93.38,51.9 L5.1
Net-(J2-Pad2): length 2.2
  Bottom w0.25: L8.1 93.39,75.36 J2.2
Net-(J2-Pad3): length 2.2
  Bottom w0.25: L9.1 93.38,65.36 J2.3
Net-(J3-Pad3): length 11
  Bottom w0.25: J3.3 93.98,30.15 91.11,33.02 90.54,33.02 89.3,34.26 89.3,36.72 R10.1 90.47,37.85
Net-(J3-Pad6): length 6.1
  Top w0.25: R8.1 90.68,25.65 93.98,22.35 J3.6
Net-(J3-Pad11): length 10.1
  Bottom w0.25: R11.1 92.2,33.02 92.2,32.57 93.46,31.31 94.93,31.31 96.85,29.39 J3.11
Net-(J3-Pad12): length 10.3
  Top w0.25: J3.12 96.85,26.49 94.89,28.45 92.59,28.45 90.42,30.62 R12.1
Net-(J3-Pad13): length 9.6
  Top w0.25: R9.1 93.73,25.4 95.15,25.4 96.85,23.7 J3.13
Net-(J3-Pad15): length 9.4
  Top w0.25: R13.1 92.9,20.13 94.93,20.13 96.85,18.21 J3.15
Net-(J5-Pad20): length 7.3
  Top w0.25: J5.20 21.08,91.96 JP7.2
Net-(J5-Pad24): length 9.5
  Bottom w0.25: J5.24 21.08,91.45 v1(21.08,85.85)
Net-(J7-Pad2): length 2.3
  Bottom w0.25: L11.1 93.38,88.82 J7.2
Net-(J7-Pad3): length 2.3
  Bottom w0.25: L10.1 95.59,78.86 J7.3
Net-(J8-Pad1): length 2.3
  Bottom w0.25: L12.1 86.86,94.98 J8.1
Net-(J9-Pad1): length 2.9
  Top w0.25: J9.1 73.91,54.86
  Bottom w0.25: L6.1 J9.1
Net-(J9-Pad2): length 2.2
  Bottom w0.25: L7.1 J9.2
Net-(J10-Pad1): length 3
  Top w0.25: J10.1 R15.2
Net-(J10-Pad3): length 3
  Top w0.25: J10.3 R16.2
Net-(J10-Pad5): length 3
  Top w0.25: J10.5 R17.2
Net-(JP1-Pad2): length 16.3
  Top w0.25: JP1.2 49.02,30.25 47.27,32 40.13,32 37.86,34.26 37.86,36.38 U3.25
Net-(JP2-Pad2): length 5.8
  Top w0.25: R14.1 45.72,26.95 47.33,25.34 49.02,25.34 JP2.2
Net-(JP3-Pad2): length 71.9
  Top w0.25: U3.67 30.78,55.33 31.55,56.1 v1(31.7,56.1)
  Bottom w0.25: JP3.2 66.04,18.54 64.55,20.03 54.52,20.03 54.3,19.81 45.47,19.81 43.69,21.59 43.69,22.06 43.01,22.74 43.01,38.15 41.54,39.62 41.54,39.67 36.74,44.48 36.74,44.87 36.77,44.9 36.77,50.37 34.52,52.62 34.52,53.29 v1(31.7,56.1)
Net-(JP4-Pad2): length 51.3
  Top w0.25: v1(26.37,50.75) 26.66,50.46 28.3,50.46 30.12,52.29 U3.68
  Bottom w0.25: JP4.2 15.24,21.59 24.13,30.48 24.13,33.16 27.79,36.82 27.79,42.53 26.37,43.96 v1(26.37,50.75)
Net-(JP5-Pad2): length 47.9
  Top w0.25: U3.71 28.18,52.86 27.24,51.93 v1(27.09,51.93)
  Bottom w0.25: JP5.2 17.78,21.84 25.58,29.64 25.58,32.84 ; 25.58,32.84 25.58,32.75 ; 25.58,32.84 25.58,33.97 28.25,36.64 28.25,43.03 27.09,44.18 v1(27.09,51.93)
Net-(JP6-Pad2): length 46.8
  Top w0.25: U3.70 28.83,52.1 v1(27.92,51.2)
  Bottom w0.25: 26.16,31.24 26.16,32.79 28.71,35.34 28.71,45.2 27.92,45.99 v1(27.92,51.2) ; 26.16,31.24 26.16,29.45 25.91,29.21 25.91,27.18 20.32,21.59 JP6.2 ; 26.16,31.24 26.16,31.04
Net-(R7-Pad1): length 6.3
  Top w0.25: R7.1 15.2,44.49 U3.92
Net-(R14-Pad2): length 51.2
  Top w0.25: v1(20.57,36.32) 20.83,36.58 20.83,37.9 25.82,42.9 36.28,42.9 38.1,41.08 v1(38.1,40.13) ; v1(36.6,34.57) 35.7,34.57 34.68,35.59 U3.20 34.68,37.27
  Bottom w0.25: v1(20.57,36.32) 18.68,34.43 14.87,34.43 12.96,32.51 U4.1 ; v1(38.1,40.13) 38.1,36.07 v1(36.6,34.57) 38.1,33.07 R14.2
Net-(R15-Pad1): length 87.3
  Top w0.25: v1(36.26,38.46) 36.62,38.09 U3.23 ; v1(35.93,42.17) 26.97,42.17 25.04,40.23 25.04,38.61 v1(24.43,38)
  Bottom w0.25: 3.89,83.39 3.89,42.59 9.9,36.58 9.9,35.05 U4.2 12.45,35.05 15.39,38 v1(24.43,38) ; 3.89,83.39 3.71,83.21 ; 3.89,83.39 R15.1 ; v1(35.93,42.17) 35.93,38.79 v1(36.26,38.46)
Net-(R16-Pad1): length 75.4
  Top w0.25: v1(27.07,38.8) 34.54,38.8 35.97,37.37 U3.22
  Bottom w0.25: R16.1 6.6,49.43 9.9,46.13 9.9,37.59 U4.3 12.96,37.59 14.17,38.8 v1(27.07,38.8)
Net-(R17-Pad1): length 73
  Top w0.25: v1(33.57,38.07) 34.53,38.07 35.33,37.27 U3.21 ; v1(27.03,41.19) v1(33.5,41.19)
  Bottom w0.25: v1(33.5,41.19) 33.57,41.11 v1(33.57,38.07) ; v1(27.03,41.19) 23.66,41.19 22.63,40.15 11.45,40.15 U4.4 10.78,40.78 10.78,81.93 R17.1
Net-(R22-Pad2): length 33.5
  Top w0.25: 58.17,79.25 U7.7
  Bottom w0.25: U7.7 58.17,79.25 56.79,77.87 52.18,77.87 51.5,78.54 R24.1 ; R22.2 39.37,86.61 39.88,87.12 43.94,87.12 46.74,84.33 R24.1 ; R24.1 R25.1
Net-(R23-Pad2): length 41.7
  Top w0.25: 49.13,77.33 57.99,77.33 58.78,78.12 65.42,78.12 U7.8 68.07,80.77 68.07,82.55 R26.1 R27.1 ; 49.13,77.33 48.88,77.33 ; 49.13,77.33 47.9,77.33 46.34,78.88 46.34,83.2 43.94,85.6 R23.2
Net-(U2-Pad15): length 28.8
  Top w0.25: v1(37.75,22.57) 29.52,30.8 29.52,33.75 28.83,34.45 U3.11
  Bottom w0.25: v1(37.75,22.57) 39.24,21.07 39.24,15.11 38.1,13.97 U2.15

## Copper pours and planes (outline as drawn; the poured copper is in the pictures)
GND on Top: 47.75,88.9 33.27,88.9 33.27,58.67 42.67,58.67 42.67,43.18 61.34,43.18 61.34,52.07 91.44,52.07 91.44,50.04 108.46,50.04 108.46,5.33 89.41,5.33 89.41,8.64 -0.76,8.64 -1.02,103.63 47.75,103.63
GND on Bottom: 47.75,88.9 33.27,88.9 33.27,58.67 42.67,58.67 42.67,43.18 61.34,43.18 61.34,52.07 91.44,52.07 91.44,50.04 108.46,50.04 108.46,5.33 89.41,5.33 89.41,8.64 -0.76,8.64 -1.02,103.63 47.75,103.63
GND on In1.Cu: 47.75,88.9 33.27,88.9 33.27,58.67 42.67,58.67 42.67,43.18 61.34,43.18 61.34,52.07 91.44,52.07 91.44,50.04 108.46,50.04 108.46,5.33 89.41,5.33 89.41,8.64 -0.76,8.64 -1.02,103.63 47.75,103.63
GNDA on Top: 108.46,50.55 91.95,50.55 91.95,52.58 60.83,52.58 60.83,43.69 43.18,43.69 43.18,59.18 33.78,59.18 33.78,88.39 48.26,88.39 48.26,103.63 108.46,103.63
GNDA on Bottom: 108.46,50.55 91.95,50.55 91.95,52.58 60.83,52.58 60.83,43.69 43.18,43.69 43.18,59.18 33.78,59.18 33.78,88.39 48.26,88.39 48.26,103.63 108.46,103.63
GNDA on In1.Cu: 108.46,50.55 91.95,50.55 91.95,52.58 60.83,52.58 60.83,43.69 43.18,43.69 43.18,59.18 33.78,59.18 33.78,88.39 48.26,88.39 48.26,103.63 108.46,103.63
GNDA on In2.Cu: 108.46,50.55 91.95,50.55 91.95,52.58 60.83,52.58 60.83,43.69 43.18,43.69 43.18,59.18 33.78,59.18 33.78,88.39 48.26,88.39 48.26,103.63 108.46,103.63
VCC on In2.Cu: 47.75,88.9 33.27,88.9 33.27,58.67 42.67,58.67 42.67,43.18 61.34,43.18 61.34,52.07 91.44,52.07 91.44,50.04 108.46,50.04 108.46,5.33 89.41,5.33 89.41,8.64 -0.76,8.64 -1.02,103.63 47.75,103.63

## Text on the board
F.Silkscreen: JP7: 1-2 / JP8: 2-3 | 1-2 -> External ROM / 2-3 -> Internal ROM | Rev 1.2 | ES1868F / ISA 8bit Sound Card / by Hkz
